# KiCad board Scopefun_v2.kicad_pcb (continued)
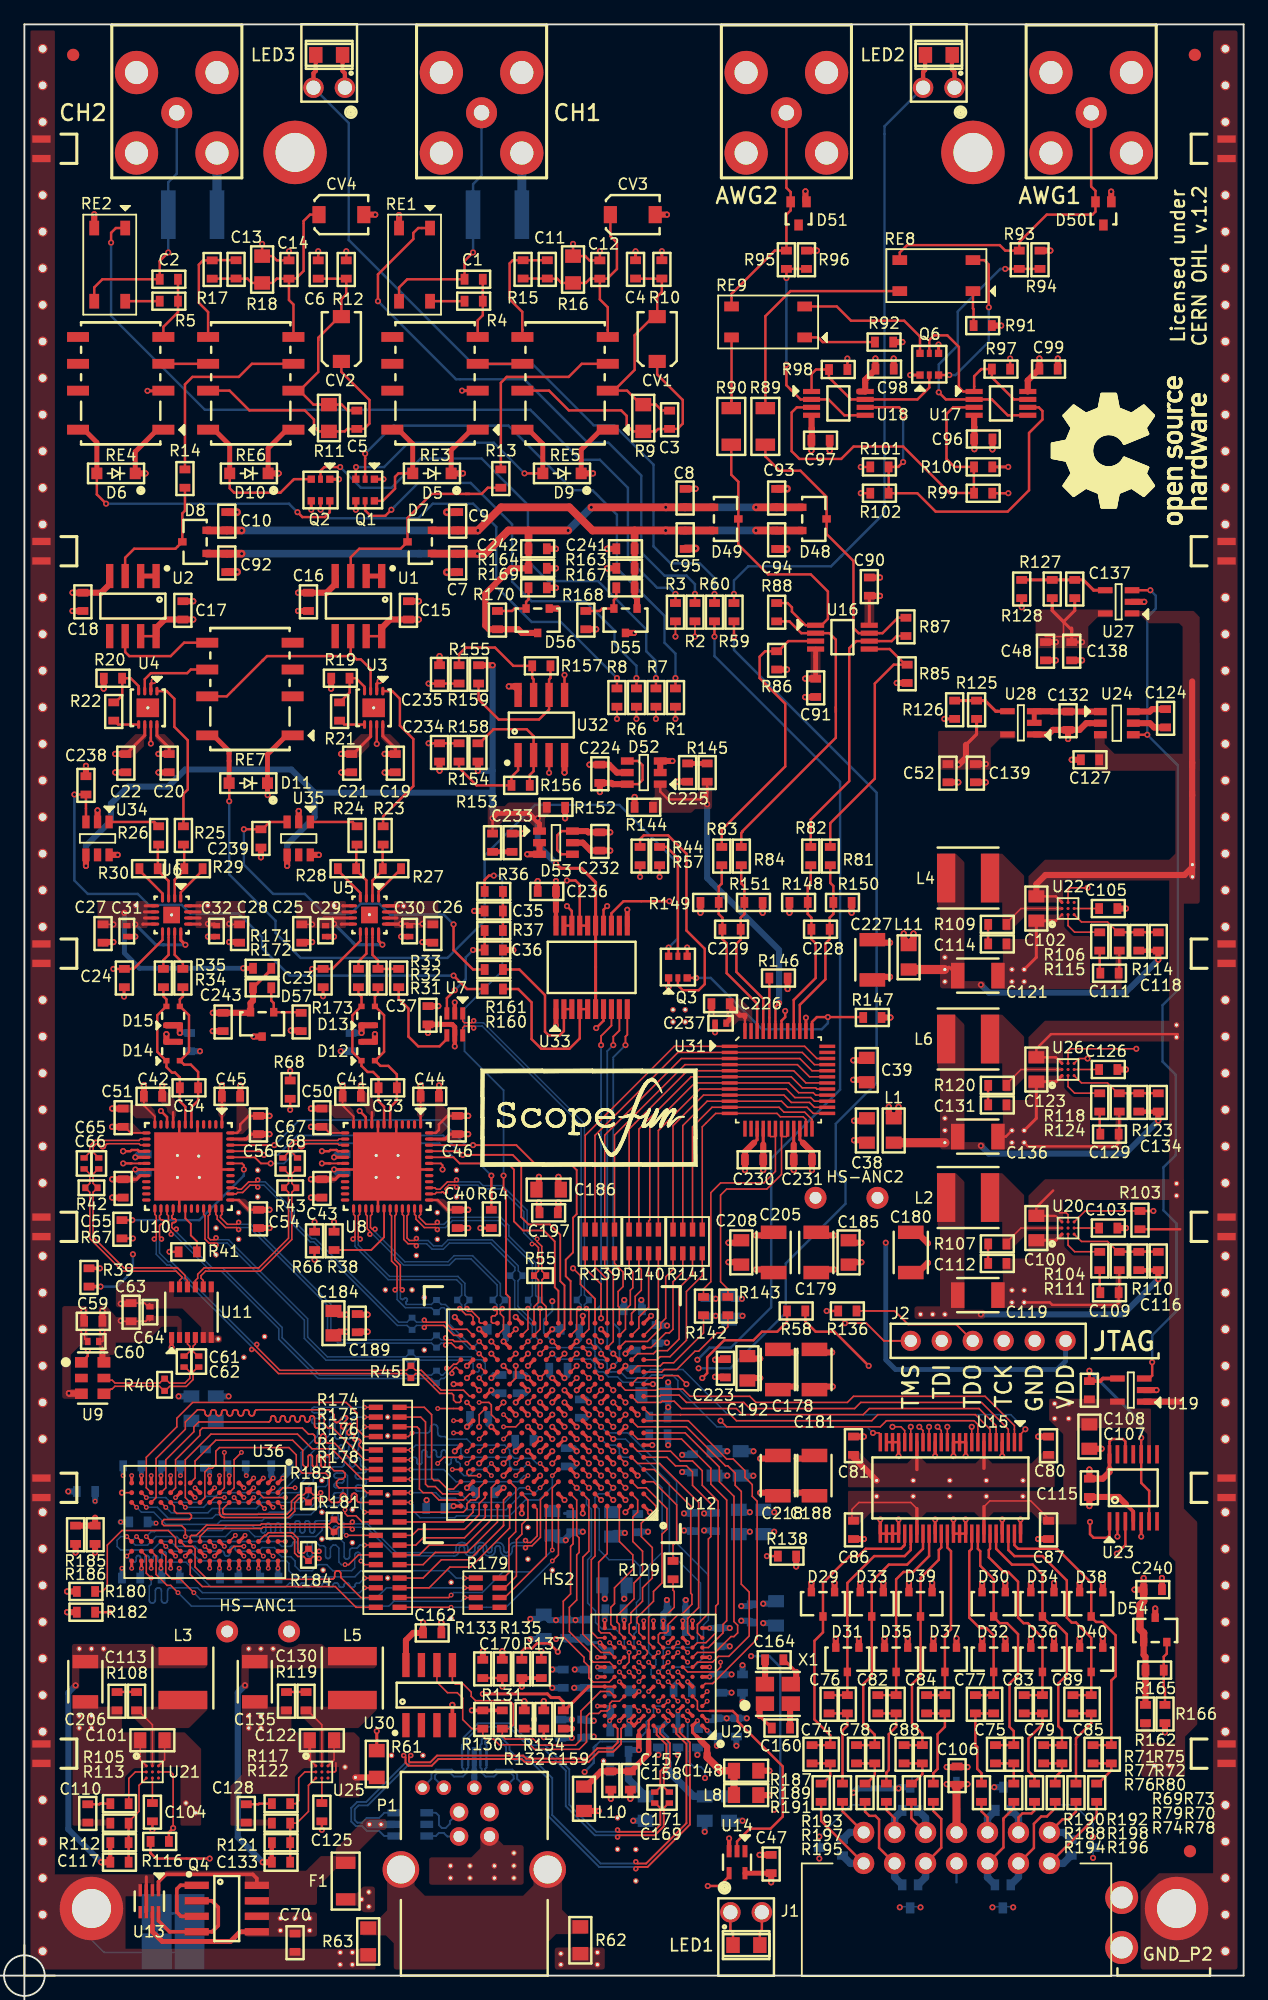
[diagram p0: board, top side]
## Nets
1.8V_REF: D53.1 R152.1 R153.1 R154.2 R155.2 U33.6 U33.15 U34.4 U35.4
1.25V_REF: D52.1 R144.1 R145.1 U31.43
+1.48V: C58.1 C69.1 C243.1 D13.1 D13.2 D15.1 D15.2 D57.2 R171.1 R172.1
+1V0: C116.1 C119.1 C178.1 C181.1 C188.1 C192.1 C196.1 C200.1 C203.1 C204.1 C207.1 C210.1 C213.1 C218.1 C223.1 L2.2 R110.1 U12.E10 U12.F7 U12.F9 U12.F11 U12.G6 U12.H9 U12.J6 U12.K9 U12.L8 VIA#109.1 VIA#112.1 VIA#133.1
+1V2: C133.1 C135.1 C140.1 C141.1 C142.1 C144.1 C145.1 C147.1 C149.1 C151.1 C153.1 C154.1 C156.1 L5.2 L7.1 L8.1 L9.1 R121.1 U29.B10 U29.C3 U29.E9 U29.F11 U29.H1 U29.J11 U29.L5 U29.L7 VIA#138.1 VIA#139.1 VIA#140.1
+1V5: C117.1 C120.1 C206.1 C209.1 C212.1 C215.1 C217.1 C220.1 C222.1 C244.1 C245.1 C246.1 C247.1 C248.1 C249.1 C251.1 C252.1 C253.1 C255.1 C256.1 L3.2 R112.1 R185.1 U12.A6 U12.B3 U12.D7 U12.E4 U12.F1 U12.J2 U36.A1 U36.A8 U36.B2 U36.C1 U36.C9 U36.D2 U36.D9 U36.E9 U36.F1 U36.G7 U36.H2 U36.H9 U36.K2 U36.K8 U36.N1 U36.N9 U36.R1 U36.R9 VIA#141.1 VIA#142.1 VIA#143.1
+1V8: C40.1 C43.1 C54.1 C55.1 C80.1 C81.1 C134.1 C136.1 C161.1 C162.1 C163.1 C165.1 C166.1 C167.1 C168.1 C172.1 C173.1 C174.1 C175.1 C176.1 C177.1 C179.1 C180.1 C182.1 C183.1 C184.1 C185.1 C186.1 C187.1 C189.1 C190.1 C191.1 C193.1 C194.1 C195.1 C197.1 C198.1 C199.1 C201.1 C202.1 J2.6 L1.1 L6.2 L10.1 R39.1 R64.1 R66.2 R67.2 R123.1 R130.1 R131.1 R133.1 R135.1 R137.1 R138.1 U8.20 U8.37 U10.20 U10.37 U12.A16 U12.B13 U12.C10 U12.E14 U12.G8 U12.G10 U12.H15 U12.J10 U12.J12 U12.K11 U12.L6 U12.L10 U12.L16 U12.M9 U12.M10 U12.M11 U12.M13 U12.N10 U12.P7 U12.R14 U12.T11 U15.7 U15.18 U29.B1 U29.C11 U29.E3 U29.F1 U29.H4 U29.H11 U29.L9 U30.8 VIA#95.1 VIA#96.1 VIA#97.1 VIA#98.1 VIA#99.1 VIA#110.1 VIA#111.1 VIA#134.1
+1V8_VA: C38.1 C39.1 C41.1 C42.1 C44.1 C45.1 C46.1 C49.1 C50.1 C51.1 C56.1 C57.1 L1.2 U8.1 U8.9 U8.13 U8.17 U8.47 U10.1 U10.9 U10.13 U10.17 U10.47
+2.88V: C9.1 C10.1 C94.1 C95.1 C241.1 D7.2 D8.2 D48.2 D49.2 D55.1 R163.1 R167.1
+3.3V_PD: C240.1 D29.2 D30.2 D31.2 D32.2 D33.2 D34.2 D35.2 D36.2 D37.2 D38.2 D39.2 D40.2 D54.1 R162.1 R165.1
+3V3: C37.2 C47.1 C59.1 C60.1 C63.1 C64.1 C115.1 C118.1 C121.1 C205.1 C208.1 C211.1 C214.1 C216.1 C219.1 C221.1 L4.2 L11.2 R114.1 U7.5 U9.6 U11.2 U12.M3 U12.R4 U12.T1 U14.5 U23.12 U23.14 VIA#135.1 VIA#136.1 VIA#137.1
+3V3_VA: C226.1 C227.1 C230.1 C231.1 C236.1 C237.1 L11.1 R147.1 U31.16 U31.22 U31.42 U31.47 U31.48 U33.7 U33.14 U33.20 VIA#161.1 VIA#162.1 VIA#163.1 VIA#164.1
+VCC_DIG: C86.1 C87.1 C106.1 C107.1 C108.1 D41.1 J1.7 U15.31 U15.42 U19.5 U23.9 VIA#100.1 VIA#101.1 VIA#102.1 VIA#103.1 VIA#104.1 VIA#105.1 VIA#149.1 VIA#204.1 VIA#212.1
+VCC_USB: F1.1 P1.1 VIA#106.1 VIA#107.1 VIA#172.1
+VCC_USB_P: C70.1 C100.1 C101.1 C102.1 C122.1 C123.1 C127.1 Q4.5 Q4.6 R61.2 R103.1 R116.1 R162.2 U13.7 U19.1 U20.A3 U20.B3 U21.A3 U22.A3 U24.3 U25.A3 U25.B3 U26.A3 U27.1 VIA.1 VIA#2.1 VIA#144.1 VIA#145.1 VIA#146.1 VIA#165.1 VIA#166.1 VIA#167.1 VIA#169.1 VIA#170.1 VIA#171.1 VIA#174.1 VIA#175.1 VIA#176.1 VIA#177.1 VIA#178.1 VIA#179.1
-2.88V: C7.1 C8.1 C92.1 C93.1 C242.2 D7.1 D8.1 D48.1 D49.1 D56.3 R164.1 R170.2
-5V: C132.1 U24.1 U28.2 U28.3
/USB Port/+VCC_USB_F: D16.5 F1.2 Q4.7 Q4.8 U13.1 VIA#196.1 VIA#197.1
GND: AWG1.2 AWG2.2 C4.2 C6.2 C7.2 C8.2 C9.2 C10.2 C12.2 C14.2 C15.1 C16.2 C17.1 C18.2 C19.1 C20.1 C21.1 C22.1 C23.2 C24.2 C25.2 C26.2 C27.1 C28.1 C29.2 C30.2 C31.2 C32.2 C35.2 C36.2 C37.1 C38.2 C39.2 C40.2 C41.2 C42.2 C43.2 C44.2 C45.2 C46.2 C47.2 C48.2 C49.2 C50.2 C51.2 C52.2 C54.2 C55.2 C56.2 C57.2 C58.2 C59.2 C60.2 C63.2 C64.2 C69.2 C70.2 C80.2 C81.2 C86.2 C87.2 C90.2 C91.2 C92.2 C93.2 C94.2 C95.2 C96.2 C97.2 C98.2 C99.2 C100.2 C101.2 C102.2 C103.2 C104.2 C105.2 C106.2 C107.2 C109.2 C110.2 C111.2 C112.2 C113.2 C114.2 C115.2 C119.2 C120.2 C121.2 C122.2 C123.2 C125.2 C126.2 C127.2 C128.2 C129.2 C130.2 C131.2 C132.2 C135.2 C136.2 C138.2 C139.2 C140.2 C141.2 C142.2 C143.2 C144.2 C145.2 C146.2 C147.2 C148.2 C149.2 C150.2 C151.2 C152.2 C153.2 C154.2 C155.2 C156.2 C157.2 C158.2 C159.2 C160.2 C161.2 C162.2 C163.2 C164.2 C165.2 C166.2 C167.2 C168.2 C170.2 C172.2 C173.2 C174.2 C175.2 C176.2 C177.2 C178.2 C179.2 C180.2 C181.2 C182.2 C183.2 C184.2 C185.2 C186.2 C187.2 C188.2 C189.2 C190.2 C191.2 C192.2 C193.2 C194.2 C195.2 C196.2 C197.2 C198.2 C199.2 C200.2 C201.2 C202.2 C203.2 C204.2 C205.2 C206.2 C207.2 C208.2 C209.2 C210.2 C211.2 C212.2 C213.2 C214.2 C215.2 C216.2 C217.2 C218.2 C219.2 C220.2 C221.2 C222.2 C223.2 C224.2 C225.2 C226.2 C227.2 C230.2 C231.2 C232.2 C233.2 C234.2 C235.2 C236.2 C237.2 C238.2 C239.2 C240.2 C241.2 C242.1 C243.2 C244.2 C245.2 C246.2 C247.2 C248.2 C249.2 C250.2 C251.2 C252.2 C254.2 C255.2 C256.2 CH1.2 CH2.2 CV3.2 CV4.2 D12.3 D12.4 D14.3 D14.4 D17.3 D17.8 D29.1 D30.1 D31.1 D32.1 D33.1 D34.1 D35.1 D36.1 D37.1 D38.1 D39.1 D40.1 D41.2 D42.3 D43.3 D44.3 D45.3 D46.3 D47.3 D50.1 D51.1 D52.2 D52.3 D52.5 D53.2 D53.3 D53.5 D54.3 D55.3 D56.1 D57.3 GDT1.2 GDT2.2 GND_P1.1 GND_P2.1 J1.8 J2.5 LED1.1 LED2.1 LED3.1 MH1.1 MH2.1 MH3.1 MH4.1 P1.4 P1.7 Q1.1 Q1.4 Q2.1 Q2.4 Q3.1 Q3.4 Q6.1 Q6.4 R10.2 R12.2 R16.2 R18.2 R19.2 R20.2 R38.2 R41.2 R62.2 R63.2 R68.2 R85.1 R86.1 R94.2 R96.2 R100.2 R101.1 R111.2 R113.2 R115.2 R122.2 R124.2 R126.2 R128.2 R132.2 R134.2 R144.2 R146.1 R148.2 R149.2 R150.2 R151.2 R152.2 R166.2 R168.2 R169.1 R173.2 R180.2 R182.2 R186.2 RE1.2 RE2.2 RE3.2 RE4.2 SHLD1.1 SHLD2.1 SHLD3.1 SHLD4.1 SHLD5.1 SHLD6.1 SHLD7.1 SHLD8.1 SHLD9.1 SHLD10.1 SHLD11.1 SHLD12.1 SLP1.1 SLP2.1 SLP3.1 U3.2 U3.EP U4.2 U4.EP U5.EP U6.EP U7.2 U8.5 U8.8 U8.12 U8.19 U8.29 U8.42 U8.48 U8.EP U9.3 U10.5 U10.8 U10.12 U10.19 U10.29 U10.42 U10.48 U10.EP U11.1 U11.5 U11.6 U11.7 U11.12 U12.A1 U12.A11 U12.B8 U12.C5 U12.C15 U12.D2 U12.D12 U12.E7 U12.E9 U12.F6 U12.F8 U12.F10 U12.F16 U12.G3 U12.G7 U12.G9 U12.G13 U12.H6 U12.H7 U12.H8 U12.J7 U12.J8 U12.J9 U12.J11 U12.K4 U12.K6 U12.K7 U12.K8 U12.K14 U12.L1 U12.L11 U12.M8 U12.N5 U12.N15 U12.P2 U12.P12 U12.R9 U12.T6 U12.T16 U13.2 U13.3 U13.4 U13.6 U14.3 U15.4 U15.10 U15.11 U15.12 U15.15 U15.21 U15.22 U15.23 U15.25 U15.26 U15.27 U15.28 U15.34 U15.37 U15.38 U15.39 U15.45 U15.48 U19.2 U20.A1 U21.A1 U22.A1 U23.4 U23.5 U24.2 U25.A1 U26.A1 U27.2 U28.1 U29.A1 U29.A8 U29.B2 U29.B4 U29.B7 U29.B8 U29.B9 U29.D8 U29.E2 U29.E6 U29.G1 U29.G11 U29.K3 U29.K4 U29.L1 U29.L2 U29.L3 U29.L6 U29.L11 U30.4 U31.15 U31.21 U31.38 U33.1 U33.11 U36.A9 U36.B1 U36.B3 U36.B9 U36.D1 U36.D3 U36.D8 U36.E1 U36.E2 U36.E7 U36.E8 U36.F9 U36.G1 U36.G8 U36.G9 U36.J2 U36.J8 U36.L2 U36.M1 U36.M9 U36.P1 U36.P9 U36.T1 U36.T9 VIA#3.1 VIA#4.1 VIA#5.1 VIA#6.1 VIA#7.1 VIA#8.1 VIA#9.1 VIA#10.1 VIA#11.1 VIA#12.1 VIA#13.1 VIA#14.1 VIA#15.1 VIA#16.1 VIA#17.1 VIA#18.1 VIA#19.1 VIA#20.1 VIA#21.1 VIA#22.1 VIA#23.1 VIA#24.1 VIA#25.1 VIA#26.1 VIA#27.1 VIA#28.1 VIA#29.1 VIA#30.1 VIA#31.1 VIA#32.1 VIA#33.1 VIA#34.1 VIA#35.1 VIA#36.1 VIA#37.1 VIA#38.1 VIA#39.1 VIA#40.1 VIA#41.1 VIA#42.1 VIA#43.1 VIA#44.1 VIA#45.1 VIA#46.1 VIA#47.1 VIA#48.1 VIA#49.1 VIA#50.1 VIA#51.1 VIA#52.1 VIA#53.1 VIA#54.1 VIA#55.1 VIA#56.1 VIA#57.1 VIA#58.1 VIA#59.1 VIA#60.1 VIA#61.1 VIA#62.1 VIA#63.1 VIA#64.1 VIA#65.1 VIA#66.1 VIA#67.1 VIA#68.1 VIA#69.1 VIA#70.1 VIA#71.1 VIA#72.1 VIA#73.1 VIA#74.1 VIA#75.1 VIA#76.1 VIA#77.1 VIA#78.1 VIA#79.1 VIA#80.1 VIA#81.1 VIA#82.1 VIA#83.1 VIA#84.1 VIA#85.1 VIA#86.1 VIA#87.1 VIA#88.1 VIA#89.1 VIA#90.1 VIA#91.1 VIA#92.1 VIA#93.1 VIA#94.1 VIA#108.1 VIA#113.1 VIA#114.1 VIA#115.1 VIA#116.1 VIA#117.1 VIA#118.1 VIA#119.1 VIA#120.1 VIA#121.1 VIA#122.1 VIA#123.1 VIA#124.1 VIA#125.1 VIA#126.1 VIA#127.1 VIA#128.1 VIA#129.1 VIA#130.1 VIA#131.1 VIA#132.1 VIA#147.1 VIA#148.1 VIA#150.1 VIA#151.1 VIA#152.1 VIA#153.1 VIA#154.1 VIA#155.1 VIA#156.1 VIA#168.1 VIA#173.1 VIA#180.1 VIA#181.1 VIA#182.1 VIA#183.1 VIA#184.1 VIA#185.1 VIA#186.1 VIA#187.1 VIA#188.1 VIA#189.1 VIA#190.1 VIA#191.1 VIA#192.1 VIA#193.1 VIA#194.1 VIA#195.1 VIA#198.1 VIA#199.1 VIA#200.1 VIA#201.1 VIA#202.1 VIA#203.1 VIA#205.1 VIA#206.1 VIA#207.1 VIA#208.1 VIA#209.1 VIA#210.1 VIA#211.1 VIA#213.1 VIA#214.1 VIA#215.1 VIA#216.1 VIA#217.1 VIA#218.1 VIA#219.1 VIA#220.1 VIA#221.1 VIA#222.1 VIA#223.1 VIA#224.1 VIA#225.1 VIA#226.1 VIA#227.1 VIA#228.1 VIA_DG.1 VIA_DG#2.1 VIA_DG#3.1 VIA_DG#4.1 VIA_DG#5.1 VIA_DG#6.1 VIA_DG#7.1 VIA_DG#8.1 VIA_DG#9.1 VIA_DG#10.1 VIA_DG#11.1 VIA_DG#12.1 VIA_DG#13.1 VIA_DG#14.1 VIA_DG#15.1 X1.2 X1.4
-Va: C16.1 C18.1 C21.2 C22.2 C26.1 C28.2 C30.1 C32.1 C52.1 C91.1 C96.1 C97.1 C139.1 R102.2 R125.1 R164.2 U1.4 U2.4 U3.6 U4.6 U5.13 U5.14 U5.15 U5.16 U6.13 U6.14 U6.15 U6.16 U16.4 U17.4 U18.4 U28.5 U32.4 U34.2 U35.2 VIA#159.1 VIA#160.1
/ADC/CH1+: C33.2 D12.1 D13.4 R33.1 U8.7
/ADC/CH1-: C33.1 D12.2 D13.3 R32.1 U8.6
/ADC/CH2+: C34.2 D14.1 D15.4 R35.1 U10.7
/ADC/CH2-: C34.1 D14.2 D15.3 R34.1 U10.6
/ADC/CLK_OUT+: C62.1 R40.2 U9.4
/ADC/CLK_OUT-: C61.1 R40.1 U9.5
/ADC/IN+: C61.2 U11.3
/ADC/IN-: C62.2 U11.4
/ADC/NAPSLP: R68.1 U8.16 U10.16
/ADC/OUT1+: C65.1 R42.1 U11.11
/ADC/OUT1-: C66.1 R42.2 U11.10
/ADC/OUT2+: C68.1 R43.2 U11.8
/ADC/OUT2-: C67.1 R43.1 U11.9
/ANALOG INPUTS/CH1_VGA: RE7.7 U1.6 U3.3
/ANALOG INPUTS/CH2_VGA: RE7.5 U2.6
/AWG DAC/DA0: R141.1 U31.12 U31.23
/AWG DAC/DA1: R141.2 U31.11 U31.24
/AWG DAC/DA2: R141.3 U31.10 U31.25
/AWG DAC/DA3: R141.4 U31.9 U31.26
/AWG DAC/DA4: R140.1 U31.8 U31.27
/AWG DAC/DA5: R140.2 U31.7 U31.28
/AWG DAC/DA6: R140.3 U31.6 U31.29
/AWG DAC/DA7: R140.4 U31.5 U31.30
/AWG DAC/DA8: R139.1 U31.4 U31.31
/AWG DAC/DA9: R139.2 U31.3 U31.32
/AWG DAC/DA10: R139.3 U31.2 U31.33
/AWG DAC/DA11: R139.4 U31.1 U31.34
/DDR3 SDRAM/DDR3_A0_: R174.3 U36.N3
/DDR3 SDRAM/DDR3_A1_: R177.1 U36.P7
/DDR3 SDRAM/DDR3_A2_: R175.1 U36.P3
/DDR3 SDRAM/DDR3_A3_: R175.2 U36.N2
/DDR3 SDRAM/DDR3_A4_: R179.3 U36.P8
/DDR3 SDRAM/DDR3_A5_: R174.4 U36.P2
/DDR3 SDRAM/DDR3_A6_: R178.2 U36.R8
/DDR3 SDRAM/DDR3_A7_: R174.1 U36.R2
/DDR3 SDRAM/DDR3_A8_: R178.1 U36.T8
/DDR3 SDRAM/DDR3_A9_: R176.3 U36.R3
/DDR3 SDRAM/DDR3_A10_: R178.3 U36.L7
/DDR3 SDRAM/DDR3_A11_: R177.3 U36.R7
/DDR3 SDRAM/DDR3_A12_: R179.1 U36.N7
/DDR3 SDRAM/DDR3_A13_: R176.4 U36.T3
/DDR3 SDRAM/DDR3_A14_: R177.4 U36.T7
/DDR3 SDRAM/DDR3_BA0_: R175.3 U36.M2
/DDR3 SDRAM/DDR3_BA1_: R179.2 U36.N8
/DDR3 SDRAM/DDR3_BA2_: R177.2 U36.M3
/DDR3 SDRAM/DDR3_CAS#_: R175.4 U36.K3
/DDR3 SDRAM/DDR3_CKE_: R178.4 U36.K9
/DDR3 SDRAM/DDR3_ODT_: R176.1 U36.K1
/DDR3 SDRAM/DDR3_RAS#_: R176.2 U36.J3
/DDR3 SDRAM/DDR3_WE#_: R174.2 U36.L3
/DDR3 SDRAM/VFREF: C250.1 C253.2 C254.1 R185.2 R186.1 U36.H1 U36.M8
/GAIN, OFFSET/AN_TRIG: R31.1 U7.4
/POWER SUPPLY/A2_L_1V0: L2.1 R107.1 U20.A2
/POWER SUPPLY/A2_L_1V2: L5.1 R119.1 U25.A2
/POWER SUPPLY/A2_L_1V5: L3.1 R108.1 U21.A2
/POWER SUPPLY/A2_L_1V8: L6.1 R120.1 U26.A2
/POWER SUPPLY/A2_L_3V3: L4.1 R109.1 U22.A2
/POWER SUPPLY/PG1: R103.2 U20.C3 U26.B3
/POWER SUPPLY/PG2: R116.2 U21.B3 U22.B3 U26.C3
/USB FX3/TX+: C169.2 U29.A5
/USB FX3/TX-: C171.2 U29.A6
/USB Port/SHLD: D16.2 P1.SHLD R62.1 R63.1
/USB Port/U2D+: D16.3 P1.3
/USB Port/U2D-: D16.1 P1.2
A_D0_J2: C85.2 D38.3 R78.2 U15.47
A_D1_J1: C89.2 D40.3 R80.2 U15.46
A_D2_J4: C79.2 D34.3 R74.2 U15.44
A_D3_J3: C83.2 D36.3 R76.2 U15.43
A_D4_J6: C75.2 D30.3 R70.2 U15.41
A_D5_J5: C77.2 D32.3 R72.2 U15.40
A_D6_J10: C84.2 D37.3 R77.2 U15.36
A_D7_J9: C88.2 D39.3 R79.2 U15.35
A_D8_J12: C78.2 D33.3 R73.2 U15.32
A_D9_J11: C82.2 D35.3 R75.2 U15.33
A_D10_J14: C74.2 D29.3 R69.2 U15.29
A_D11_J13: C76.2 D31.3 R71.2 U15.30
ADC_CLK_EN: U9.1 U14.4
ADC_CLK_EN_S: U14.2 U29.D2
ADC_RESETN: R39.2 U8.18 U10.18 U29.H6
ADC_SCLK: U8.45 U10.45 U12.R8
ADC_SDIN: U8.46 U10.46 U12.T7
ADCA_CS: U8.44 U12.T8
ADCB_CS: R64.2 U10.44 U12.L15
AN_TRIG_LEVEL: R36.2 U12.T12
AN_TRIG_N: R56.1 U7.6 U12.R7
AN_TRIG_P: R56.2 U7.1 U12.R6
AWG1_PROT: Q6.5 R97.2 U17.1 U17.7
AWG1_PROTECT: Q6.3 RE8.2
AWG2_PROT: Q6.2 R98.2 U18.1 U18.7
AWG2_PROTECT: Q6.6 RE9.2
CC_AB: R44.1 U12.L12
CH1_ADC_CLK_IN+: C67.2 U8.14
CH1_ADC_CLK_IN-: C68.2 U8.15
CH1_CM: C23.1 U5.9 U8.10
CH1_DC: R2.1 U12.R12
CH1_GAIN: C235.1 R159.1 U3.7
CH1_GAIN_ADJ: U32.5 U33.16 U33.17
CH1_GND: R1.1 U12.M12
CH1_K: R6.2 U12.P13
CH1_OFFSET: R24.2 U35.1
CH1_OFFSET_ADJ: R161.2 U33.2 U33.3
CH2_ADC_CLK_IN+: C65.2 U10.14
CH2_ADC_CLK_IN-: C66.2 U10.15
CH2_CM: C24.1 U6.9 U10.10
CH2_DC: R3.1 U12.N12
CH2_GAIN: C234.1 R158.1 U4.7
CH2_GAIN_ADJ: U32.3 U33.18 U33.19
CH2_GND: R7.1 U12.N13
CH2_K: R8.2 U12.M15
CH2_OFFSET: R26.2 U34.1
CH2_OFFSET_ADJ: R160.2 U33.4 U33.5
CLK_ADC_N: R51.2 U8.31 U12.N14
CLK_ADC_P: R51.1 U8.32 U12.P14
clk_fx3: R129.1 U12.C1
D0_J2: D42.1 J1.2 R196.2
D1_J1: D42.2 J1.1 R198.2
D2_J4: D47.2 J1.4 R192.2
D3_J3: D43.1 J1.3 R194.2
D4_J6: D47.1 J1.6 R188.2
D5_J5: D43.2 J1.5 R190.2
D6_J10: D46.2 J1.10 R195.2
D7_J9: D44.1 J1.9 R197.2
D8_J12: D46.1 J1.12 R191.2
D9_J11: D44.2 J1.11 R193.2
D10_J14: D45.2 J1.14 R187.2
D11_J13: D45.1 J1.13 R189.2
D+: D16.4 U29.A9
D-: D16.6 U29.A10
DAC_CLK_1: R142.2 U12.M2
DAC_CLK_2: R143.2 U12.M1
DAC_D0: R141.8 U12.N1
DAC_D1: R141.7 U12.N2
DAC_D2: R141.6 U12.P1
DAC_D3: R141.5 U12.P3
DAC_D4: R140.8 U12.R1
DAC_D5: R140.7 U12.R2
DAC_D6: R140.6 U12.T2
DAC_D7: R140.5 U12.R3
DAC_D8: R139.8 U12.T3
DAC_D9: R139.7 U12.P4
DAC_D10: R139.6 U12.T4
DAC_D11: R139.5 U12.P5
DAC_EN: R57.2 U12.T5
DAC_SLEEP: Q3.3 R147.2 U31.37
DASCLK: U12.M4 U33.10
DASDIN: U12.N3 U33.9
DASYNC: U12.N4 U33.8
dataA0_N: R50.1 U8.25 U12.T15
dataA0_P: R50.2 U8.26 U12.T14
dataA1_N: R53.1 U8.27 U12.T13
dataA1_P: R53.2 U8.28 U12.R13
dataA2_N: R52.1 U8.33 U12.P11
dataA2_P: R52.2 U8.34 U12.P10
dataA3_N: R54.1 U8.35 U12.R11
dataA3_P: R54.2 U8.36 U12.R10
dataA4_N: R55.1 U8.38 U12.T10
dataA4_P: R55.2 U8.39 U12.T9
dataB0_N: R45.1 U10.25 U12.K16
dataB0_P: R45.2 U10.26 U12.K15
dataB1_N: R47.2 U10.27 U12.M16
dataB1_P: R47.1 U10.28 U12.N16
dataB2_N: R46.1 U10.33 U12.M14
dataB2_P: R46.2 U10.34 U12.L14
dataB3_N: R48.1 U10.35 U12.P16
dataB3_P: R48.2 U10.36 U12.P15
dataB4_N: R49.1 U10.38 U12.R16
dataB4_P: R49.2 U10.39 U12.R15
dataD[0]: U12.L3 U15.2
dataD[1]: U12.K1 U15.3
dataD[2]: U12.K2 U15.5
dataD[3]: U12.J1 U15.6
dataD[4]: U12.K3 U15.8
dataD[5]: U12.R5 U15.9
dataD[6]: U12.P6 U15.13
dataD[7]: U12.N6 U15.14
dataD[8]: U12.L2 U15.17
dataD[9]: U12.M6 U15.16
dataD[10]: U12.J3 U15.20
dataD[11]: U12.K5 U15.19
DDR3_A0: R174.6 U12.B15
DDR3_A1: R177.8 U12.B14
DDR3_A2: R175.8 U12.D10
DDR3_A3: R175.7 U12.D13
DDR3_A4: R179.6 U12.A9
DDR3_A5: R174.5 U12.D9
DDR3_A6: R178.7 U12.A12
DDR3_A7: R174.8 U12.C16
DDR3_A8: R178.8 U12.B12
DDR3_A9: R176.6 U12.C14
DDR3_A10: R178.6 U12.C8
DDR3_A11: R177.6 U12.C13
DDR3_A12: R179.8 U12.C12
DDR3_A13: R176.5 U12.A15
DDR3_A14: R177.5 U12.A13
DDR3_BA0: R175.6 U12.C11
DDR3_BA1: R179.7 U12.B11
DDR3_BA2: R177.7 U12.A14
DDR3_CAS#: R175.5 U12.B10
DDR3_CK_N: R181.2 U12.A10 U36.K7
DDR3_CK_P: R181.1 U12.B9 U36.J7
DDR3_CKE: R178.5 U12.A8
DDR3_DQ0: U12.H11 U36.E3
DDR3_DQ1: U12.G12 U36.F7
DDR3_DQ2: U12.H12 U36.F2
DDR3_DQ3: U12.G16 U36.F8
DDR3_DQ4: U12.J15 U36.H3
DDR3_DQ5: U12.J16 U36.H8
DDR3_DQ6: U12.H13 U36.G2
DDR3_DQ7: U12.H16 U36.H7
DDR3_DQ8: U12.E15 U36.D7
DDR3_DQ9: U12.D16 U36.C3
DDR3_DQ10: U12.D11 U36.C8
DDR3_DQ11: U12.F13 U36.C2
DDR3_DQ12: U12.F12 U36.A7
DDR3_DQ13: U12.F15 U36.A2
DDR3_DQ14: U12.E11 U36.B8
DDR3_DQ15: U12.E16 U36.A3
DDR3_DQS0_N: R183.2 U12.F14 U36.G3
DDR3_DQS0_P: R183.1 U12.G14 U36.F3
DDR3_DQS1_N: R184.2 U12.D15 U36.B7
DDR3_DQS1_P: R184.1 U12.D14 U36.C7
DDR3_ODT: R176.8 U12.C9
DDR3_RAS#: R176.7 U12.D8
DDR3_RESET#: R182.1 U12.E12 U36.T2
DDR3_WE#: R174.7 U12.B16
dir_5_0: U12.P9 U15.1
dir_11_6: U12.N9 U15.24
DONE: R135.2 U12.H10 U29.D1
dpot_cs: U12.N11 U23.1
dpot_sck: U12.P8 U23.2
dpot_si: U12.J13 U23.3
faddr[0]: U12.F3 U29.H5
faddr[1]: U12.D1 U29.J5
fdata[0]: U12.A7 U29.F10
fdata[1]: U12.D6 U29.F9
fdata[2]: U12.J5 U29.F7
fdata[3]: U12.B7 U29.G10
fdata[4]: U12.C7 U29.G9
fdata[5]: U12.B5 U29.F8
fdata[6]: U12.B6 U29.H10
fdata[7]: U12.B4 U29.H9
fdata[8]: U12.D5 U29.J10
fdata[9]: U12.D4 U29.J9
fdata[10]: U12.A5 U29.K11
fdata[11]: U12.A3 U29.L10
fdata[12]: U12.A4 U29.K10
fdata[13]: U12.B2 U29.K9
fdata[14]: U12.A2 U29.J8
fdata[15]: U12.C6 U29.G8
fdata[16]: U12.E2 U29.K2
fdata[17]: U12.E6 U29.J4
fdata[18]: U12.E1 U29.K1
fdata[19]: U12.F2 U29.J2
fdata[20]: U12.F4 U29.J3
fdata[21]: U12.G2 U29.J1
fdata[22]: U12.G1 U29.H2
fdata[23]: U12.F5 U29.H3
fdata[24]: U12.H5 U29.F4
fdata[25]: U12.H2 U29.G2
fdata[26]: U12.J4 U29.G3
fdata[27]: U12.H4 U29.F3
fdata[28]: U12.G4 U29.F5
fdata[29]: U12.H1 U29.E1
fdata[30]: U12.G5 U29.E5
fdata[31]: U12.H3 U29.E4
FLAGA: U12.D3 U29.G7
FLAGB: U12.E5 U29.G6
FLAGD: U12.E3 U29.G5
INIT_B: R137.2 U12.K10 U29.D3
IOUTA: C229.2 R83.2 R149.1 U31.46
IOUTB: C228.1 R81.2 R150.1 U31.39
LED[1]: R58.2 U12.L4
LED[2]: R59.2 U12.L5
LED[3]: R60.2 U12.M5
PKTEND: U12.C4 U29.H8
PROG_B: R138.2 U12.L9 U29.C1
PWR_EN: U19.3 U24.4 U27.3 U33.13
RE1: D6.2 Q2.6 RE4.8
RE2: D10.2 Q2.3 RE6.8
RE3: D5.2 Q1.6 RE3.8
RE4: D9.2 Q1.3 RE5.8
RE7: D11.2 Q3.6 RE7.8
SLCS: U12.B1 U29.K8
SLOE_SLRD: U12.C3 U29.H7 U29.J7
SLWR: U12.C2 U29.K7
SPI_MOSI: U12.J14 U29.D5
SPI_SCK: U12.E8 U29.D4
TCK: J2.4 U12.L7
TDI: J2.2 U12.N7
TDO: J2.3 R136.1
TMS: J2.1 U12.M7
U3RX+: D17.4 D17.7 P1.8 U29.A4
U3RX-: D17.5 D17.6 P1.9 U29.A3
U3TX+: C169.1 D17.2 D17.9 P1.6
U3TX-: C171.1 D17.1 D17.10 P1.5
V_OV: R99.2 R100.1 U17.3 U18.3
V_UV: R101.2 R102.1 U17.6 U18.6
Va: C15.2 C17.2 C19.2 C20.2 C25.1 C27.2 C29.1 C31.1 C48.1 C90.1 C98.1 C99.1 C137.1 C138.1 C224.1 C232.1 D5.1 D6.1 D9.1 D10.1 D11.1 D52.4 D52.6 D53.4 D53.6 R91.1 R92.2 R97.1 R98.1 R99.1 R127.1 R163.2 R171.2 RE3.1 RE4.1 RE5.1 RE6.1 RE7.1 U1.7 U1.8 U2.7 U2.8 U3.8 U4.8 U5.5 U5.6 U5.7 U5.8 U5.12 U6.5 U6.6 U6.7 U6.8 U6.12 U16.8 U17.8 U18.8 U27.5 U32.8 U34.6 U35.6 VIA#157.1 VIA#158.1
XTALI: C164.1 U29.C6 X1.3
XTALO: C160.1 U29.C7 X1.1
~{IOUTA}: C229.1 R84.2 R151.1 U31.45
~{IOUTB}: C228.2 R82.2 R148.1 U31.40
Net-(AWG1-In): AWG1.1 D50.2 R93.1 RE8.3
Net-(AWG2-In): AWG2.1 D51.2 R95.1 RE9.3
Net-(C1-Pad1): C1.1 R4.1 RE3.4
Net-(C2-Pad1): C2.1 R5.1 RE4.4
Net-(C3-Pad1): C3.1 CV1.1 R9.1 RE5.7
Net-(C3-Pad2): C3.2 C4.1 CV1.2 R9.2 R10.1 RE5.2
Net-(C5-Pad1): C5.1 CV2.1 R11.1 RE6.7
Net-(C5-Pad2): C5.2 C6.1 CV2.2 R11.2 R12.1 RE6.2
Net-(C11-Pad1): C11.1 R15.1 RE5.5
Net-(C11-Pad2): C11.2 C12.1 CV3.1 R15.2 R16.1 RE5.4
Net-(C13-Pad1): C13.1 R17.1 RE6.5
Net-(C13-Pad2): C13.2 C14.1 CV4.1 R17.2 R18.1 RE6.4
Net-(C35-Pad1): C35.1 R36.1 R37.2
Net-(C74-Pad1): C74.1 R69.1 R187.1
Net-(C75-Pad1): C75.1 R70.1 R188.1
Net-(C76-Pad1): C76.1 R71.1 R189.1
Net-(C77-Pad1): C77.1 R72.1 R190.1
Net-(C78-Pad1): C78.1 R73.1 R191.1
Net-(C79-Pad1): C79.1 R74.1 R192.1
Net-(C82-Pad1): C82.1 R75.1 R193.1
Net-(C83-Pad1): C83.1 R76.1 R194.1
Net-(C84-Pad1): C84.1 R77.1 R195.1
Net-(C85-Pad1): C85.1 R78.1 R196.1
Net-(C88-Pad1): C88.1 R79.1 R197.1
Net-(C89-Pad1): C89.1 R80.1 R198.1
Net-(C109-Pad1): C109.1 R104.1
Net-(C110-Pad1): C110.1 R105.1
Net-(C111-Pad1): C111.1 R106.1
Net-(C112-Pad1): C112.1 R107.2
Net-(C113-Pad1): C113.1 R108.2
Net-(C114-Pad1): C114.1 R109.2
Net-(C128-Pad1): C128.1 R117.1
Net-(C129-Pad1): C129.1 R118.1
Net-(C130-Pad1): C130.1 R119.2
Net-(C131-Pad1): C131.1 R120.2
Net-(C225-Pad1): C225.1 R145.2
Net-(C233-Pad1): C233.1 R153.2
Net-(CH1-In): C1.2 CH1.1 GDT1.1 RE1.3
Net-(CH2-In): C2.2 CH2.1 GDT2.1 RE2.3
Net-(D48-Pad3): D48.3 R87.2 R89.2 U16.7
Net-(D49-Pad3): D49.3 R88.2 R90.2 U16.1
Net-(D50A-A): D50.3
Net-(D51A-A): D51.3
Net-(D54-REF): D54.2 R165.2 R166.1
Net-(D55-REF): D55.2 R167.2 R168.1
Net-(D56-REF): D56.2 R169.2 R170.1
Net-(D57-REF): D57.1 R172.2 R173.1
Net-(LED1-A): LED1.2 R58.1
Net-(LED1-Pad2): SLP1.2
Net-(LED2-A): LED2.2 R59.1
Net-(LED2-Pad2): SLP2.2
Net-(LED3-A): LED3.2 R60.1
Net-(LED3-Pad2): SLP3.2
Net-(Q1-G1): Q1.2 R1.2
Net-(Q1-G2): Q1.5 R6.1
Net-(Q2-G1): Q2.2 R7.2
Net-(Q2-G2): Q2.5 R8.1
Net-(Q3-G1): Q3.2 R44.2
Net-(Q3-G2): Q3.5 R57.1
Net-(Q4-G1): Q4.2 Q4.4 U13.8
Net-(Q4-S1): Q4.1 Q4.3
Net-(R2-Pad2): R2.2 RE1.1
Net-(R3-Pad2): R3.2 RE2.1
Net-(R4-Pad2): R4.2 RE1.4
Net-(R5-Pad2): R5.2 RE2.4
Net-(R13-Pad1): R13.1 RE5.3
Net-(R14-Pad1): R14.1 RE6.3
Net-(R38-Pad1): U8.30
Net-(R41-Pad1): U10.30
Net-(R66-Pad1): U8.43
Net-(R67-Pad1): U10.43
Net-(R89-Pad1): R89.1 RE8.4
Net-(R90-Pad1): R90.1 RE9.4
Net-(R91-Pad2): R91.2 RE8.1
Net-(R92-Pad1): R92.1 RE9.1
Net-(R156-Pad1): R156.1 R158.2 U32.1
Net-(R157-Pad1): R157.1 R159.2 U32.7
Net-(RE3-Pad3): RE3.3 RE5.6
Net-(RE4-Pad3): RE4.3 RE6.6
Net-(U1-+IN): D7.3 R13.2 U1.3
Net-(U1--IN): U1.1 U1.2
Net-(U2-+IN): D8.3 R14.2 U2.3
Net-(U2--IN): U2.1 U2.2
Net-(U3-INPN): R19.1 R21.2 U3.4
Net-(U3-PRAO): R21.1 U3.5
Net-(U3-VOUT): R23.2 U3.1
Net-(U4-INPN): R20.1 R22.2 U4.4
Net-(U4-INPP): RE7.6 U4.3
Net-(U4-PRAO): R22.1 U4.5
Net-(U4-VOUT): R25.2 U4.1
Net-(U5-+FB): R28.1 U5.4
Net-(U5-+IN): R23.1 R27.2 U5.2
Net-(U5-+OUT): R33.2 U5.10
Net-(U5--FB): R27.1 U5.1
Net-(U5--IN): R24.1 R28.2 U5.3
Net-(U5--OUT): R31.2 R32.2 U5.11
Net-(U6-+FB): R30.1 U6.4
Net-(U6-+IN): R25.1 R29.2 U6.2
Net-(U6-+OUT): R35.2 U6.10
Net-(U6--FB): R29.1 U6.1
Net-(U6--IN): R26.1 R30.2 U6.3
Net-(U6--OUT): R34.2 U6.11
Net-(U7-+): C36.1 R37.1 U7.3
Net-(U8-Pad2): U8.2
Net-(U8-Pad3): U8.3
Net-(U8-Pad4): U8.4
Net-(U8-Pad11): U8.11
Net-(U8-Pad21): U8.21
Net-(U8-Pad22): U8.22
Net-(U8-Pad23): U8.23
Net-(U8-Pad24): U8.24
Net-(U8-Pad40): U8.40
Net-(U8-Pad41): U8.41
Net-(U8A-RLVDS): R38.1
Net-(U8A-SDO): R66.1
Net-(U10-Pad2): U10.2
Net-(U10-Pad3): U10.3
Net-(U10-Pad4): U10.4
Net-(U10-Pad11): U10.11
Net-(U10-Pad21): U10.21
Net-(U10-Pad22): U10.22
Net-(U10-Pad23): U10.23
Net-(U10-Pad24): U10.24
Net-(U10-Pad31): U10.31
Net-(U10-Pad32): U10.32
Net-(U10-Pad40): U10.40
Net-(U10-Pad41): U10.41
Net-(U10A-RLVDS): R41.1
Net-(U10A-SDO): R67.1
Net-(U12C-TDO_0): R136.2 U12.N8
Net-(U16A-+): R83.1 R86.2 U16.3
Net-(U16A--): R84.1 R88.1 U16.2
Net-(U16B-+): R81.1 R85.2 U16.5
Net-(U16B--): R82.1 R87.1 U16.6
Net-(U17A--): R93.2 R94.1 U17.2 U17.5
Net-(U18A--): R95.2 R96.1 U18.2 U18.5
Net-(U19-ADJ): C108.2 U19.4 U23.6 U23.10
Net-(U20-COMP): R104.2 U20.B1
Net-(U20-FB): C116.2 R110.2 R111.1 U20.C1
Net-(U20-SS/REFIN): C103.1 U20.C2
Net-(U21-COMP): R105.2 U21.B1
Net-(U21-FB): C117.2 R112.2 R113.1 U21.C1
Net-(U21-SS/REFIN): C104.1 U21.C2
Net-(U22-COMP): R106.2 U22.B1
Net-(U22-FB): C118.2 R114.2 R115.1 U22.C1
Net-(U22-SS/REFIN): C105.1 U22.C2
Net-(U24-C+): C124.2 U24.5
Net-(U24-C-): C124.1 U24.6
Net-(U25-COMP): R117.2 U25.B1
Net-(U25-FB): C133.2 R121.2 R122.1 U25.C1
Net-(U25-SS/REFIN): C125.1 U25.C2
Net-(U26-COMP): R118.2 U26.B1
Net-(U26-FB): C134.2 R123.2 R124.1 U26.C1
Net-(U26-SS/REFIN): C126.1 U26.C2
Net-(U27-ADJ): C137.2 R127.2 R128.1 U27.4
Net-(U28-FB): R125.2 R126.1 U28.4
Net-(U29A-PCLK): R129.2 U29.J6
Net-(U29C-I2C_SCL): R130.2 U29.D9 U30.6
Net-(U29C-I2C_SDA): R131.2 U29.D10 U30.5
Net-(U29C-R_USB2): R134.1 U29.C8
Net-(U29C-R_USB3): R132.1 U29.B3
Net-(U29C-RESET#): C170.1 R133.2 U29.C5
Net-(U29D-AVDD): C143.1 C146.1 L7.2 U29.A7
Net-(U29D-CVDDQ): C157.1 C158.1 L10.2 U29.B6
Net-(U29D-U3RXVDDQ): C148.1 C150.1 L8.2 U29.A2
Net-(U29D-U3TXVDDQ): C152.1 C155.1 L9.2 U29.B5
Net-(U29D-VBATT): C159.1 R61.1 U29.E10 U29.E11
Net-(U31-BIASJ_A): R146.2 U31.44
Net-(U31-CLKA/CLKIQ): R142.1 U31.17 U31.18
Net-(U31-CLKB/RESETIQ): R143.1 U31.19 U31.20
Net-(U32A--): R154.1 R156.2 U32.2
Net-(U32B--): R155.1 R157.2 U32.6
Net-(U34-IN+): C238.1 R160.1 U34.3
Net-(U35-IN+): C239.1 R161.1 U35.3
Net-(U36A-ZQ): R180.1 U36.L8

Pads without a net: FID1 1; FID2 1; FID3 1; HS-ANC1 1; HS-ANC2 1; R179 4 5; RE3 5 6 7; RE4 5 6 7; RE7 2 3 4; U1 5; U2 5; U9 2; U12 E13 G11 G15 H14 K12 K13 L13; U13 5; U14 1; U20 B2; U21 B2 C3; U22 B2 C3; U23 7 8 11 13; U25 B2 C3; U26 B2; U29 A11 B11 C2 C4 C9 C10 D6 D7 D11 E7 E8 F2 F6 G4 K5 K6 L4 L8; U30 1 2 3 7; U31 13 14 35 36 41; U33 12; U34 5; U35 5; U36 J1 J9 L1 L9 M7

## Via types
v1: diameter 0.5, hole 0.25, Top to Bottom, 733 vias
v2: diameter 0.4, hole 0.2, Top to Bottom, 207 vias
v3: diameter 0.45, hole 0.2, Top to Bottom, 62 vias

## Routing (per net, layer and track width the routed paths; a pad name or vN(x,y) marks a point on that pad's centre or on a via; arc(x,y) is an arc through that point)
1.8V_REF: length 89.9
  Top w0.2: R153.1 v1(38.4,94.9)
  Top w0.25: U33.6 U33.15 46.85,89.65 45.7,90.8 44,90.8 v1(43.6,91.2)
  Top w0.4: v1(38.4,94.9) 38.8,95.3 41.4,95.3 42.25,94.45 D53.1
  Top w0.5: v1(37.2,98.8) R154.2 ; v1(38.4,107.45) R155.2 ; 5.05,92.15 v1(5.05,91) ; v1(21.55,91) U35.4
  Bottom w0.5: 38.4,95.7 v1(38.4,94.9) ; 38.4,95.7 38.4,98.8 ; 38.4,95.7 38.4,96.9 38.3,97 23.8,97 ; 38.4,98.8 v1(37.2,98.8) ; 38.4,98.8 v1(38.4,107.45) ; 23.8,97 23.8,95 21.55,92.75 v1(21.55,91) ; 23.8,97 21.9,98.9 13.2,98.9 11.8,97.5 8.5,97.5 7.1,96.1 7.1,94.7 5.05,92.65 v1(5.05,91) ; v1(43.6,91.2) 42.1,92.7 v1(42.1,94.9)
1.25V_REF: length 28
  Top w0.2: D52.1 52.15,97.1 52.8,96.45 55.45,96.45 56,97 ; 56,97 v1(56,96.05) ; 56,97 R145.1 ; U31.43 61.6,79.45 v1(61.9,79.75)
  Bottom w0.5: v1(61.9,79.75) 61.9,84.1 56,90 v1(56,96.05)
+1.48V: length 14
  Top w0.127: D15.1 11.65,78.05 ; D15.2 12.75,78.05 ; D13.1 27.65,78.05 ; D13.2 28.75,78.05
  Top w0.25: 20.25,82.5 R172.1
  Top w0.5: D15.2 v1(12.75,77.3) ; D15.2 D15.1 D15.2 ; D13.2 D13.1 v1(27.65,77.3) ; R172.1 18.75,79.95 18.55,79.75 D57.2 18.5,78.95 C243.1 ; R171.1 20.25,82.5 ; v1(15.46,78.95) 16.15,78.95
  Bottom w0.5: 26.8,77.35 26.85,77.3 v1(27.65,77.3) ; 13.55,77.35 12.8,77.35 v1(12.75,77.3)
+1V0: length 37.9
  Top w0.25: U12.L8 v1(43.3,49) ; U12.K9 v1(43.3,48) ; U12.H9 v1(43.3,46) ; U12.G6 v1(46.3,44) ; U12.E10 v1(41.3,43) ; U12.J6 v1(46.3,46) ; U12.F7 v1(45.3,43) ; U12.F9 v1(42.3,43) ; U12.F11 v1(40.3,43)
  Top w0.35: 93,57.84 91.4,57.84
  Top w0.5: 93,57.84 v1(93,57.1) ; v1(60.35,42.4) 61.4,42.4 ; 61.55,42.4 C218.1 ; v1(66.3,48.3) 65.25,48.3 65,48.05 ; v1(60.35,49) 59.65,49 ; v1(56.65,49.1) 57.3,49.1 57.35,49.05 ; v1(63.25,48.3) 62.2,48.3 61.95,48.05 ; 59.5,49 C192.1 ; v1(63.35,42.4) 64.4,42.4 64.65,42.65
  Bottom w0.5: v1(93,57.1) 90.12,54.22 v1(78.45,54.22) ; 40.25,43.8 40.3,43.75 v1(40.3,43) ; 56.75,43 v1(57.65,43) ; C207.1 43.05,49.25 v1(43.3,49) ; C213.1 46.05,45.75 v1(46.3,46) ; 44.6,43.26 45.04,43.26 v1(45.3,43) ; v1(59.8,43) C200.1 ; C204.1 54.75,42.7 v1(53.95,42.7)
+1V2: length 41
  Top w0.25: v2(56.2,26.1) U29.H1 56.1,26.1 ; U29.F11 47.02,24.5 v2(47,24.48) ; U29.J11 v2(47.2,27.3) ; U29.C3 v2(53.6,21.7) ; U29.B10 v2(48,20.9) ; U29.E9 v2(48.8,24.1) ; U29.L5 v2(52.4,29.1) ; U29.L7 v2(50.8,29.1)
  Top w0.35: 20.29,9.3 20.29,10.9
  Top w0.5: 20.29,9.3 v1(19.55,9.3) ; L8.1 v1(61.1,14.8)
  Bottom w0.127: v1(43.6,27.6) 43.7,27.7 C142.1 44.35,27.75 ; 43.65,27.7 43.6,27.65
  Bottom w0.25: C153.1 47.62,26.6 47.2,27.02 v2(47.2,27.3) 46.4,27.3 C144.1 ; 47.95,21.9 48,21.85 v2(48,20.9)
  Bottom w0.4: 48,21.7 v2(48,20.9) 48,19.95 ; v2(53.6,21.7) 53.6,20.22
  Bottom w0.45: 52.65,30 C154.1
  Bottom w0.5: v1(19.55,9.3) 17.5,11.35 17.5,23.2 v1(18.1,23.8) ; 46.25,27.3 46,27.55 44.4,27.55 ; 42.6,27.45 42.45,27.6 v1(41.5,27.6) ; 52.65,29.9 52.4,29.65 v2(52.4,29.1) 52.4,28.55 52.65,28.3 ; 42.3,27.6 42.6,27.3 ; 50.99,12.7 v1(49.94,12.7) ; v1(52.7,30.8) 52.7,30 ; L9.1 v1(58.9,12.7) ; v1(57.85,27) C145.1
